# Altium PCB COPY 1.PcbDoc (part 2 of 2) (continued)
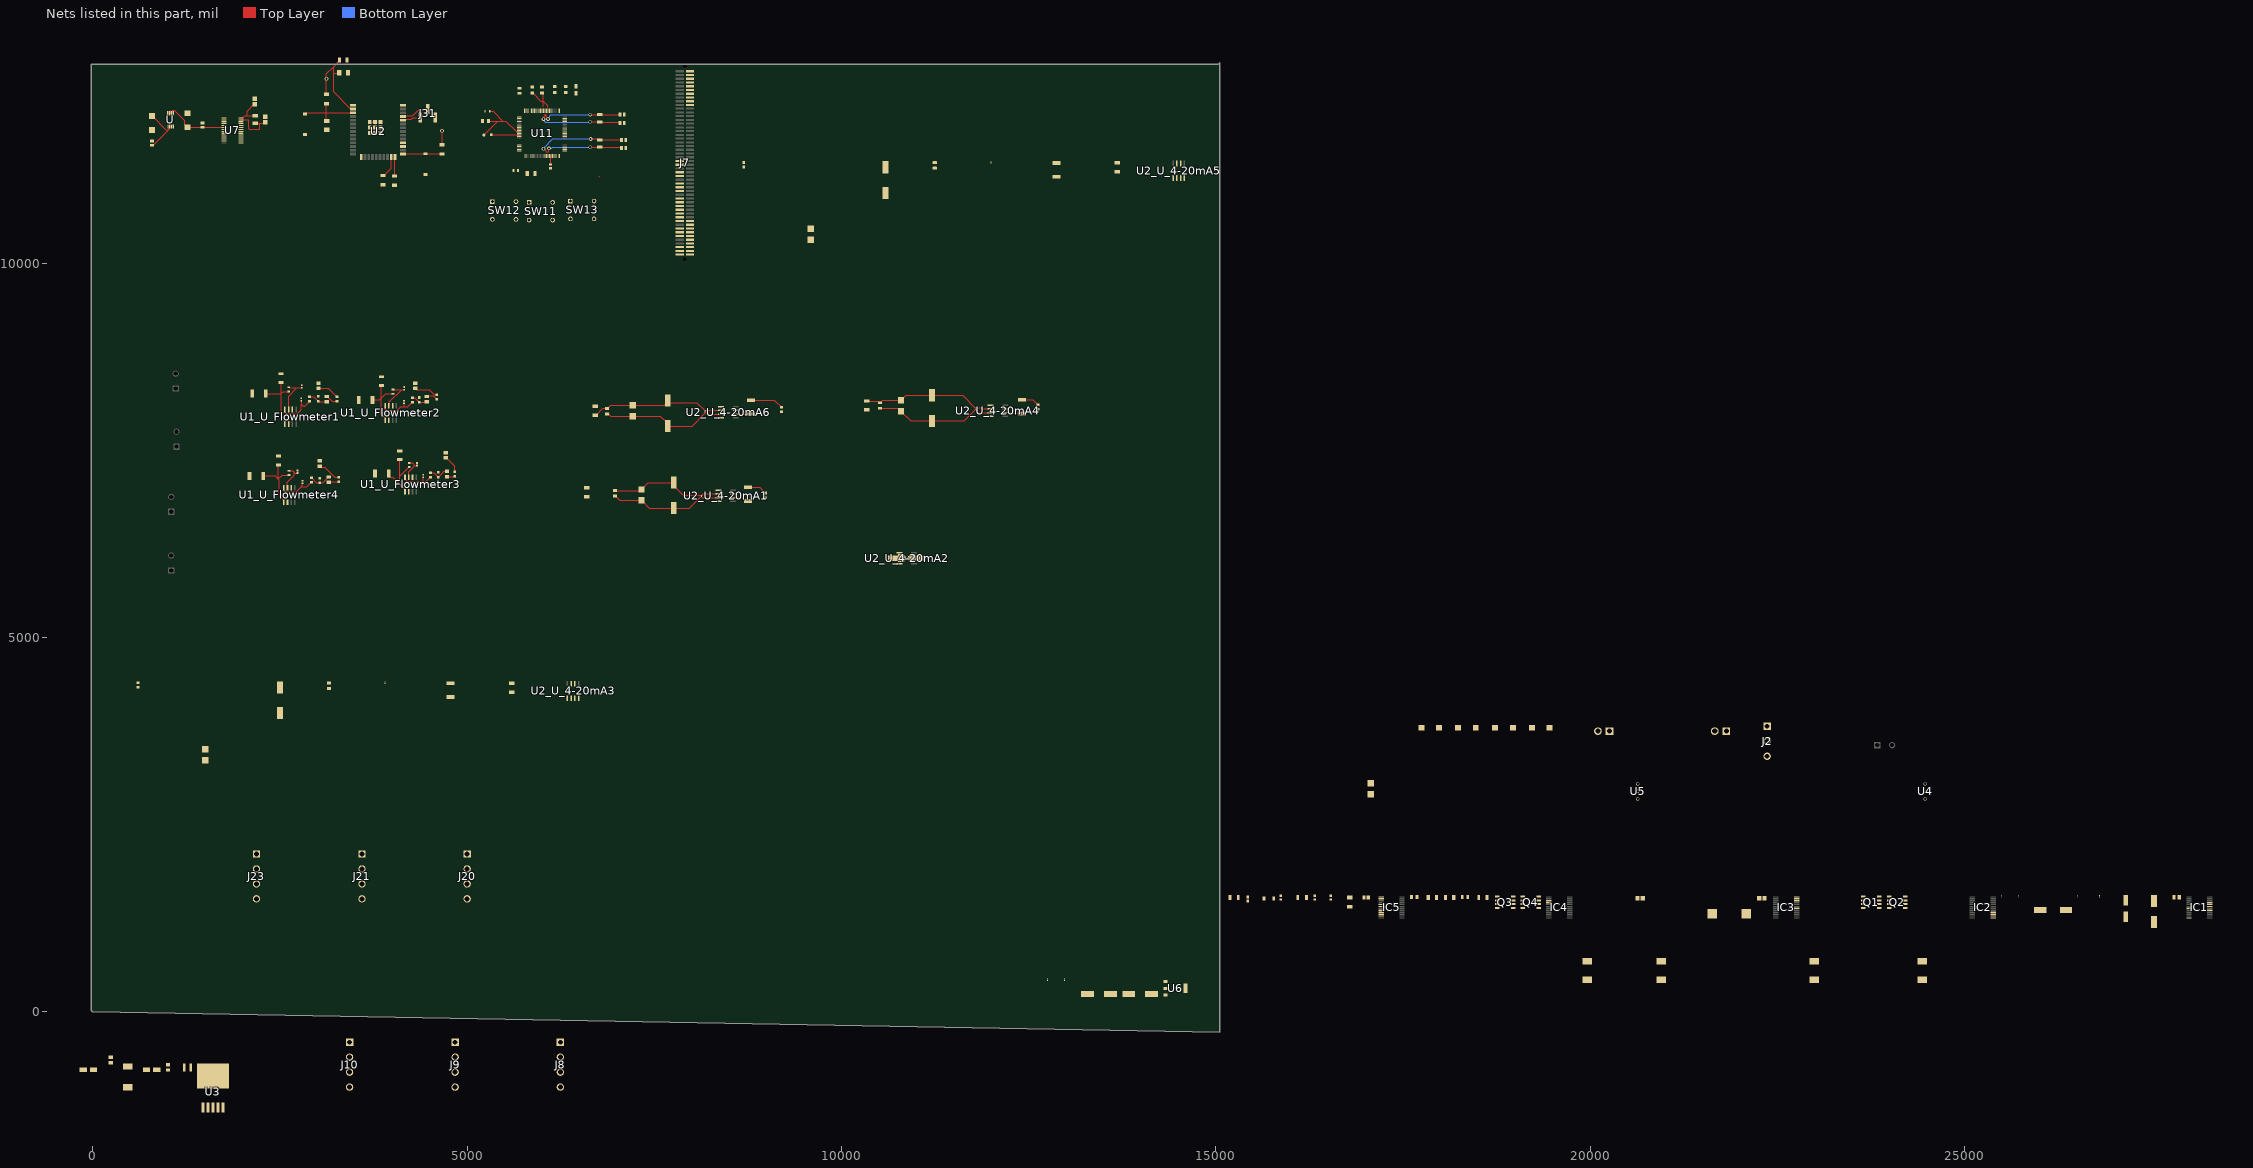
[diagram p2: the nets of this part, all layers, seen from the top]
## Part data (continued)
R17 R18 RF_U_4-20mA1 RF_U_4-20mA2 RF_U_4-20mA3 RF_U_4-20mA4 RF_U_4-20mA5 RF_U_4-20mA6: "100 Ohms Â±5% 0.5W, 1/2W Chip Resistor 0805 _2012 Metric_ Pulse Withstanding Thick Film", Package="0805 TE Connectivity", Supplier Part Number 1=279-CRGS0805J100R, Availability=Unavailable, MF="TE Connectivity", MP=CRGS0805J100R, Price=None, SnapEDA_Link=https://www.snapeda.com/parts/CRGS0805J100R/TE%20Connectivity%20AMP%20Connectors/view-part/1008227/?ref=snap, Supplier 1=Mouser, TE_purchase_URL=https://www.te.com/usa-en/product-2-2176244-5.html?te_bu=Cor&te_type=disp&te_campaign=seda_glo_cor-seda-global-disp-prtnr-fy19-seda-model-bom-cta_sma-317_1&elqCampaignId=32493
"R AV": library part CMP-2001-04896-1, Manufacturer="Vishay Dale", Part Number=CRCW08050000Z0EA
RCore: library part CMP-2000-03640-1, Manufacturer="Vishay Dale", Part Number=CRCW060391K0FKEA
RF2_U_Flowmeter1 RF2_U_Flowmeter2 RF2_U_Flowmeter3 RF2_U_Flowmeter4: "Chip Resistor Surface Mount", Package=None, Supplier Part Number 1=YAG1267CT-ND, Availability=Unavailable, MP=RC0402FR-073K3P, Price=None, Supplier 1=Digi-Key
RF3_U_Flowmeter1 RF3_U_Flowmeter2 RF3_U_Flowmeter3 RF3_U_Flowmeter4 RF8_U_4-20mA1 RF8_U_4-20mA2 RF8_U_4-20mA3 RF8_U_4-20mA4 RF8_U_4-20mA5 RF8_U_4-20mA6: Package=None, Supplier Part Number 1=CRS2010AFX-1001ELFCT-ND, Availability=Unavailable, MP=CRS2010AFX-1001ELF, Price=None, Supplier 1=Digi-Key
RF4_U_Flowmeter1 RF4_U_Flowmeter2 RF4_U_Flowmeter3 RF4_U_Flowmeter4: "Res Thick Film 0603 1M Ohm 1% 0.1W(1/10W) Â±100ppm/Â°C Sulfur Resistant Pad SMD Automotive T/R", Package="1608-2 Panasonic", Supplier Part Number 1=667-ERJ-S03F1004V, Availability="Not in stock", Check_prices=https://www.snapeda.com/parts/ERJ-S03F1004V/Panasonic/view-part/3733497/?ref=eda, MF=Panasonic, MP=ERJ-S03F1004V, Price=None, SnapEDA_Link=https://www.snapeda.com/parts/ERJ-S03F1004V/Panasonic/view-part/3733497/?ref=snap, Supplier 1=Mouser
RF5_U_Flowmeter1 RF5_U_Flowmeter2 RF5_U_Flowmeter3 RF5_U_Flowmeter4 RF7_U_Flowmeter1 RF7_U_Flowmeter2 RF7_U_Flowmeter3 RF7_U_Flowmeter4: "Resistor Thick Film 0603 5.1k Ohm 5% 1/10 Watt Â±200ppm Â°C Surface Mount Paper Tape On Plastic Reel", Package=None, Supplier Part Number 1=118-CR0603-JW-512ELFCT-ND, Availability=Unavailable, MP=CR0603-JW-512ELF, Price=None, Supplier 1=Digi-Key
RF6_U_Flowmeter1 RF6_U_Flowmeter2 RF6_U_Flowmeter3 RF6_U_Flowmeter4: "RES SMD 2.21KOHM 0.5% 1/10W 0603", Package=None, Availability=Unavailable, MP=RT0603DRE072K21L, Price=None
S1 S3: "Tactile Switch SPST-NC Top Actuated Surface Mount", Package=None, Availability=Unavailable, MP=ATS2D3G_NC_LFG, Price=None
SW11 SW12 SW13: library part CMP-05613-000006-1, "SWITCH PUSH SPST-NO 0.1A 14V", Contact Current Rating=100mA, Max Operating Temperature=80°C, Max Voltage Rating (DC)=14V, Min Operating Temperature=-30°C, Operating Force=4N, Package Quantity=1200, Actuator Length=5.5mm, Actuator Type=Lever, Current Rating=100mA, Lead Free="Lead Free", Mount="Through Hole", Orientation=Straight, Packaging=Bulk, Radiation Hardening=No, REACH SVHC="No SVHC", RoHS Compliant=Yes, Series=ESE20C, Switch Function=Off-Mom, Termination="PC Pin", Throw Configuration=SPST, Voltage Rating (DC)=14V
U: "Ic Vref Series Prec 2.5v 8-Msop - Ltc6652ahms8-2.5#Pbf", Package="MSOP-8 Linear Technology", Availability=Unavailable, MF="Linear Technology", MP=LTC6652AHMS8-2.5#PBF, Price=None, SnapEDA_Link=https://www.snapeda.com/parts/LTC6652AHMS8-2.5%23PBF/Analog%20Devices/view-part/135303/?ref=snap
U1_U_Flowmeter1 U1_U_Flowmeter2 U1_U_Flowmeter3 U1_U_Flowmeter4: "Comparator General Purpose Pull Up 8-SOIC", Package="SOIC -8 Analog Devices", Supplier Part Number 1=584-LT1017IS8#PBF, Availability="In Stock", Check_prices=https://www.snapeda.com/parts/LT1017IS8%23PBF/Analog%20Devices/view-part/4348316/?ref=eda, MF="Analog Devices", MP=LT1017IS8#PBF, Price=None, Purchase-URL=https://pricing.snapeda.com/search/part/LT1017IS8#PBF/?ref=eda, SnapEDA_Link=https://www.snapeda.com/parts/LT1017IS8%23PBF/Analog%20Devices/view-part/4348316/?ref=snap, Supplier 1=Mouser
U2: "Bluetooth, WiFi 802.11b/g/n, Bluetooth v4.2 + EDR, Class 1, 2 and 3 Transceiver Module 2.4GHz ~ 2.5GHz Integrated, Trace Surface Mount", Package="Module Espressif Systems", Availability=Unavailable, MF="Espressif Systems", MP=ESP32-WROOM-32D, Price=None, SnapEDA_Link=https://www.snapeda.com/parts/ESP32-WROOM-32D/Espressif%20Systems/view-part/2768115/?ref=snap
U2_U_4-20mA1 U2_U_4-20mA2 U2_U_4-20mA3 U2_U_4-20mA4 U2_U_4-20mA5 U2_U_4-20mA6: "SP Amp DIFF AMP Single R-R O/P ±18V/36V Automotive 8-Pin SOIC N Tube", Case/Package=SOIC, Input Offset Voltage (Vos)=5.2mV, Input Resistance=2MR, Manufacturer="Analog Devices / Linear Technology", Manufacturer Part Number=LT1990ACS8#PBF, Max Dual Supply Voltage=18V, Max Operating Temperature=70°C, Max Supply Voltage=36V, Min Dual Supply Voltage=1.35V, Min Operating Temperature=0°C, Min Supply Voltage=2.4V, Operating Supply Current=140uA, Output Current per Channel=22mA, Package="SOIC -8 Analog Devices", Package Quantity=100, Power Supply Rejection Ratio (PSRR)=80dB, Supplier Part Number 1=584-LT1990ACS8#PBF, -3db Bandwidth=105kHz, Amplifier Type=DIFFERENTIAL, Availability=Good, Bandwidth=100kHz, Category="Amplifiers - Op Amps, Buffer, Instrumentation", Check_prices=h, Common Mode Rejection Ratio=70dB, ComponentLink1Description=https://datasheet.ciiva.com/15128/getdatasheetpartid-371446-15128871.pdf?src-supplier=Verical, ComponentLink1URL=https://datasheet.ciiva.com/15128/getdatasheetpartid-371446-15128871.pdf?src-supplier=Verical, ComponentLink2Description=https://datasheet.ciiva.com/1802/5087-1802941.pdf?src-supplier=Digi-Key, ComponentLink2URL=https://datasheet.ciiva.com/1802/5087-1802941.pdf?src-supplier=Digi-Key, ComponentLink3Description=https://datasheet.ciiva.com/1492/1990fb-1492770.pdf?src-supplier=Farnell, ComponentLink3URL=https://datasheet.ciiva.com/1492/1990fb-1492770.pdf?src-supplier=Farnell, ComponentLink4Description=https://datasheet.ciiva.com/1485/1679607-1485298.pdf?src-supplier=Element14, ComponentLink4URL=https://datasheet.ciiva.com/1485/1679607-1485298.pdf?src-supplier=Element14, Lead Free="Lead Free", MF="Analog Devices", MP=LT1990ACS8#PBF, Nominal Gain Bandwidth Product=100kHz, Number of Amplifiers=1, Number of Channels=1, Number of Circuits=1, Number of Elements=1, Number of Pins=8, Packaging=Rail/Tube, Price=None, Pricing 1="1=5.20000, 10=4.67000, 50=4.42000, 100=3.82000, 1000=3.25000, 10000=3.25000 (USD)", Purchase-URL=https://pricing.snapeda.com/search/part/LT1990ACS8#PBF/?ref=eda, Radiation Hardening=No, REACH SVHC="No SVHC", RoHS=Yes, RoHS Compliant=Yes, Slew Rate=0.55V/µs, SnapEDA_Link=https://www.snapeda.com/parts/LT1990ACS8%23PBF/Analog%20Devices/view-part/4348994/?ref=snap, Stock 1=55, Supplier 1=Mouser
U3: "SIMPLE SWITCHERé›»æºè½‰æ›å™¨150 KHz 1Aé™å£“ç©©å£“å™¨5-DDPAK / TO-263", Package="TO-263-5 Texas Instruments", Supplier Part Number 1=296-37722-5-ND, Availability=Warning, Check_prices=https://www.snapeda.com/parts/LM2595S-5.0/Texas%20Instruments/view-part/20758/?ref=eda, DigiKey-Purchase-URL=https://snapeda.com/shop?store=DigiKey&id=20758, MF="Texas Instruments", MP=LM2595S-5.0, Price=None, SnapEDA_Link=https://www.snapeda.com/parts/LM2595S-5.0/Texas%20Instruments/view-part/20758/?ref=snap, Supplier 1=Digi-Key
U6: library part CMP-0476-01801-1, "Micropower Low Dropout Regulator with Shutdown, 4.17 to 36 V Vin, 3.3 V Vout, 3-pin SOT223 (ST-3), 0 to 125 degC, Pb-Free, Tape and Reel", Dropout Voltage(V)=0.42, Manufacturer="Linear Technology", Output Voltage="3.3 V", Shutdown Current(uA)=16, ComponentLink1Description="Manufacturer URL", ComponentLink1URL=http://www.linear.com/, ComponentLink2Description=Datasheet, ComponentLink2URL=http://cds.linear.com/docs/en/datasheet/1121fg.pdf, ComponentLink3Description="Package Specification", ComponentLink3URL=http://cds.linear.com/docs/en/packaging/SOT_3_05-08-1630.pdf, DatasheetVersion="Rev. G", Discrete Pass Element=no, Iout(mA)=150, Isupply(mA)=0.03, Mounting Technology="Surface Mount", Number of Outputs=1, PackageDescription="3-Pin Plastic SOT-223, 3.505 x 6.505 mm Body, Pitch 2.3 mm", PackageReference=ST-3, PackageVersion=Jun-10, Packing="Tape and Reel", PartNumber=LT1121CST-3.3#TRPBF, RoHS=TRUE, Vin Max(V)=36, Vin Min(V)=4.17
U7: library part CMP-0313-02003-2, "10 Channel 24-Bit Low Power Sigma-Delta Analog-to-Digital Converter with Serial, SPI Interface, 1.365KSPS, -40 to +85 degC, RU-28, Pb-Free, Tube", Generic Part Number=AD7718, Manufacturer="Analog Devices", Channels=10, Code_JEDEC=MO-153-AE, ComponentLink1Description="Manufacturer URL", ComponentLink1URL=http://www.analog.com/en/index.html, ComponentLink2Description=Datasheet, ComponentLink2URL=http://www.analog.com/static/imported-files/data_sheets/AD7708_7718.pdf, ComponentLink3Description="Package Specification", ComponentLink3URL=http://www.analog.com/static/imported-files/packages/249854663RU_28.pdf, ComponentLink4Description="Product URL", ComponentLink4URL=http://www.analog.com/en/analog-to-digital-converters/ad-converters/ad7718/products/product.html, DatasheetVersion=Rev.0, Interface="Ser, SPI", Mounting Technology="Surface Mount", PackageDescription="28-Lead Thin Shrink Small Outline Package [TSSOP]", PackageReference=RU-28, PackageVersion=2005, Packing=Tube, PartNumber=AD7718BRUZ, Resolution (Bits)=24, RoHS=Y, Throughput Rate (SPS)=1.365K
U11: "SimpleLink ultra-low-power 32-bit Arm Cortex-M4F MCU With Precision ADC, 256KB Flash and 64KB RAM 100-LQFP -40 to 85", Package="LQFP-100 Texas Instruments", BuyPart=https://www.snapeda.com/parts/MSP432P401RIPZR/Texas%20Instruments/view-part/537368/?ref=eda, Digi-Key_Part_Number=296-44715-1-ND, DigiKey-Purchase-URL=https://snapeda.com/shop?store=DigiKey&id=537368, MF="Texas Instruments", Mouser-Purchase-URL=https://snapeda.com/shop?store=Mouser&id=537368, MP=MSP432P401RIPZR, SnapEDA_Link=https://www.snapeda.com/parts/MSP432P401RIPZR/Texas%20Instruments/view-part/537368/?ref=snap, Texas_Instruments-Purchase-URL=https://snapeda.com/shop?store=Texas+Instruments&id=537368
Y1 Y2: library part CMP-2000-07587-1, "Tuning Fork Crystal, 32.768 KHz, +/- 20 ppm, -40 to 85 degC, 2-Pin SMD, RoHS, Tape and Reel", Case\/Package=SMD/SMT, ESR (Equivalent Series Resistance)=55KOhm, Frequency=32.768KHz, Frequency Tolerance=20ppm, Load Capacitance=6pF, Manufacturer=Abracon, Max Operating Temperature=85degC, Min Operating Temperature=-40degC, Package Description="2-Pin Surface Mount Device, Body 3.2 x 1.5 mm", Package Quantity=3000, Package Reference=ABS07, Series Resistance=60KOhm, Datasheet URL=http://www.abracon.com/Resonators/ABS07-120-32.768kHz-T.pdf, Datasheet Version=11/2014, Depth=1.5mm, Height=0.035inch, Lead Free=LeadFree, Length=3.2mm, Manufacturer URL=http://www.abracon.com/, Mount=SurfaceMount, Mounting Technology=SurfaceMount, Number of Pins=2, Packaging=TapeandReel, Radiation Hardening=No, REACH SVHC=NoSVHC, RoHSCompliant=True, Termination=SMD/SMT, Tolerance=20ppm, Width=0.061inch
"YA 1": library part CMP-0447-00001-3, "CRYSTAL 32.7680KHZ 12.5PF SMD", Case/Package=CSMD, ESR (Equivalent Series Resistance)=70kR, Frequency=32.768kHz, Frequency Tolerance=20ppm, Load Capacitance=12.5pF, Max Operating Temperature=85°C, Min Operating Temperature=-40°C, Operating Frequency="32.768 kHz", Package Quantity=3000, Depth=1.5mm, Height=0.035inch, Lead Free="Lead Free", Length=3.2mm, Number of Pins=2, Packaging="Tape and Reel", Radiation Hardening=No, REACH SVHC="No SVHC", RoHS Compliant=Yes, Series=ABS07, Series Resistance=70kR, Termination=SMD/SMT, Tolerance=20ppm, Width=0.061inch

## Via types
v1: diameter 50, hole 28, Top Layer to Bottom Layer, 10 vias

## Nets (pads, with @x,y where several pads share a name; then routed paths per layer and width w, separated by ;. In a path a pad name is that pad's centre, name@x,y a point inside that pad or via, vN(x,y) a via of type N, cw(c..) or ccw(c..) an arc to the next point about the centre after c; other vN are vias at no path point)
3V3: C6.1 C8.1 J7.11 J7.50 J7.52 R1.2 R2.2 U2.2 U7.26 | length 1486.5
  Top Layer w10: R1.2@3120,12257.01 v1(3120,12465) 3120,12529.37 3215,12624.37 ; C6.1@3290,12545 3280,12535 3220.86,12535 3215,12529.14 ; C8.1@3293.82,12715 3293.82,12703.19 3215,12624.37 ; U2.2@3475.71,12060 3462.99,12072.72 3434.69,12072.72 3215,12292.41 3215,12529.14 ; R2.2@4665,11584.02 v1(4665,11770) ; 3215,12529.14 3215,12624.37
24V0: CR3.2 J8.1 J9.1 J10.1 J20.1 J21.1 J23.1 Q2.5 Q2.6 Q2.7 Q2.8 R12.1
+3V3: "R AV.2" C3.2 C4.1 C7.1 R6.2 U11.13 U11.73
+5: C9.1 C29.1 C45.1 C58.1 L1.2 U2_U_4-20mA1.7 U2_U_4-20mA2.7 U2_U_4-20mA3.7 U2_U_4-20mA4.7 U2_U_4-20mA5.7 U2_U_4-20mA6.7 U3.4 U6.1
"+6 VDC": C15.1 C16.1 CR2.1 CR4.1 IC1.19
\: U11.3
A5V0: "CA5 .1uF.1" "CA6 47uF.2" U7.3 U.2 U.3 | length 652.7
  Top Layer w10: 790,11575.47 803.7,11589.17 817.39,11589.17 1011.71,11783.5 ; 790,11967.91 792.76,11967.91 977.17,11783.5 1011.71,11783.5 ; U.2@1022,11826 1020.5,11824.5 1020.5,11792.29 1011.71,11783.5
DCORE: RCore.2 U11.44 | length 114.3
  Top Layer w10: RCore.2@6115,11319.61 6118.11,11322.72 U11.44@6118.11,11432.64
ESP32_BOOT: R2.1 S3.2 U2.25 | length 522.3
  Top Layer w10: U2.25@4145,11460 4147.8,11462.8 S3.2@4445,11462.8 4447.8,11460 R2.1@4665,11460
ESP32_EN: C5.2 R1.1 S1.2 U2.3 | length 877
  Top Layer w10: S1.2@2835,11995 2849.14,12009.14 3120,12009.14 ; R1.1@3120,12132.99 3120,12009.14 ; 3120.86,12010 3120,12009.14 ; C5.2@3125,11900 3120,11905 3120,12009.14 ; 3125.86,12010 U2.3@3475.71,12010
ESP32_UART0.RX: J31.03 U2.34 | length 244.5
  Top Layer w10: U2.34@4145,11910 4157.72,11922.72 4256.04,11922.72 4278.33,11945 J31.03@4375,11945
ESP32_UART0.TX: J31.02 U2.35 | length 371.4
  Top Layer w10: U2.35@4145,11960 4157.72,11972.72 4273.56,11972.72 4360.81,12059.96 J31.02@4475,12059.96
GND: "CA1 12pF.1" "CA2 12pF.1" "CA3 47uF.1" "CA4 .1uF.2" "CA5 .1uF.2" "CA6 47uF.1" C1.2 C2.2 C3.1 C4.2 C5.1 C6.2 C7.2 C8.2 C9.2 C10.2 C11.1 C12.1 C13.1 C14.2 C15.2 C16.2 C17.2 C21.2 C22.2 C23.2 C24.2 C25.2 C26.2 C27.2 C28.2 C29.2 C30.2 C45.2 C58.2 C243.2 C.2 CF2_U_Flowmeter1.2 CF2_U_Flowmeter2.2 CF2_U_Flowmeter3.2 CF2_U_Flowmeter4.2 CF3_U_Flowmeter1.2 CF3_U_Flowmeter2.2 CF3_U_Flowmeter3.2 CF3_U_Flowmeter4.2 CF7_U_4-20mA1.2 CF7_U_4-20mA2.2 CF7_U_4-20mA3.2 CF7_U_4-20mA4.2 CF7_U_4-20mA5.2 CF7_U_4-20mA6.2 CH11.1 CH12.1 CL21.1 CL22.1 CR6.2 CU9.2 CU10.1 D1.2 D2.2 IC1.7 IC1.17 IC1.20 IC5.9 IC5.11 J2.1 J3.2 J7.13 J7.15 J7.17 J7.19 J8.4 J9.4 J10.4 J20.4 J21.4 J23.4 J31.01 R3.2 R4.2 R10.2 R11.2 R14.2 R16.2 R18.2 RCore.1 RF3_U_Flowmeter1.1 RF3_U_Flowmeter2.1 RF3_U_Flowmeter3.1 RF3_U_Flowmeter4.1 RF7_U_Flowmeter1.2 RF7_U_Flowmeter2.2 RF7_U_Flowmeter3.2 RF7_U_Flowmeter4.2 S1.1 S3.1 SW11.b SW11.c SW11.d SW12.b SW12.c SW12.d SW13.b SW13.c SW13.d U1_U_Flowmeter1.2 U1_U_Flowmeter2.2 U1_U_Flowmeter3.2 U1_U_Flowmeter4.2 U2.1 U2.15 U2.38 U2.39_1 U2.39_2 U2.39_3 U2.39_4 U2.39_5 U2.39_6 U2.39_7 U2.39_8 U2.39_9 U2.39_10 U2.39_11 U2.39_12 U2.39_13 U2.39_14 U2.39_15 U2.39_16 U2.39_17 U2.39_18 U2.39_19 U2.39_20 U2.39_21 U2_U_4-20mA1.1 U2_U_4-20mA1.4 U2_U_4-20mA2.1 U2_U_4-20mA2.4 U2_U_4-20mA3.1 U2_U_4-20mA3.4 U2_U_4-20mA4.1 U2_U_4-20mA4.4 U2_U_4-20mA5.1 U2_U_4-20mA5.4 U2_U_4-20mA6.1 U2_U_4-20mA6.4 U3.3 U3.5 U3.6 U6.2 U6.4 U7.4 U7.5 U7.12 U7.17 U7.25 U11.15 U11.40 U11.72 U11.83 U.4 U.5 U.7 U.8
NetC1_1: "R AV.1" C1.1 C2.1 U11.43 U11.45 U11.82 U11.84 U11.87 | length 505.1
  Top Layer w10: 5700,12272.52 5709.84,12272.52 ; C1.1@5870,12274.65 5874.92,12274.65 5984.57,12165 6019.69,12165 ; C2.1@6000,12274.65 6004.92,12274.65 6018.74,12260.82 6018.74,12255.9 6019.69,12254.96 6019.69,12165 ; 6019.69,12090 6019.69,12165 ; 6078.74,12085 6078.74,12105.94 6019.69,12165
NetC17_1: C17.1 IC1.12
NetC18_1: C18.1 CR2.2 IC3.24
NetC18_2: C18.2 CR3.1 IC3.22 L2.2
NetC19_1: C19.1 CR5.2 IC2.15 L2.1 Q1.1 Q1.2 Q1.3 Q2.1 Q2.2 Q2.3 Q3.5 Q3.6 Q3.7 Q3.8 Q4.5 Q4.6 Q4.7 Q4.8
NetC19_2: C19.2 CR4.2 IC2.13
NetC20_1: C20.1 IC4.3 R17.1
NetC20_2: C20.2 IC4.4 R18.1
NetC21_1: C21.1 IC5.2
NetC22_1: C22.1 C23.1 R15.2
NetC28_1: C28.1 C30.1 U6.3
NetC243_1: C243.1 IC1.21 R9.1
"NetCA1 12pF_2": "CA1 12pF.2" "YA 1.1" U7.28 | length 422.9
  Top Layer w10: U7.28@1977.2,11941.34 2003.78,11941.34 2031.65,11969.21 2060,11969.21 ; 2170,11969.21 2060,11969.21 ; 2170,12142.17 2060,12032.17 2060,11969.21
"NetCA2 12pF_2": "CA2 12pF.2" "YA 1.2" U7.27 | length 590.9
  Top Layer w10: U7.27@1977.93,11915.02 U7.27@1977.2,11915.75 2078.39,11915.75 2085,11909.14 2085,11795.86 2090.86,11790 2225,11790 2231.1,11796.1 2231.1,11870.79 ; 2170,11870.79 2231.1,11870.79 ; 2305,11883.58 2292.2,11870.79 2231.1,11870.79
"NetCA3 47uF_2": "CA3 47uF.2" "CA4 .1uF.1" U7.6 U.6 | length 871
  Top Layer w10: U.6@1048,12004 1049.5,12005.5 1049.5,12037.71 1058.29,12046.5 1087.71,12046.5 1228.07,11906.14 1228.07,11851.26 1262.24,11817.09 1265,11817.09 1266.61,11815.47 1465,11815.47 ; 1463.15,11813.39 U7.6@1752.8,11813.39
NetCF1_U_Flowmeter1_1: CF1_U_Flowmeter1.1 RF5_U_Flowmeter1.2 RF7_U_Flowmeter1.1 | length 251.9
  Top Layer w10: RF5_U_Flowmeter1.2@2895,8215.71 2952.4,8215.71 3008.82,8159.29 RF7_U_Flowmeter1.1@3010,8159.29 3018.58,8150.71 CF1_U_Flowmeter1.1@3120,8150.71
NetCF1_U_Flowmeter1_2: CF1_U_Flowmeter1.2 RF6_U_Flowmeter1.1 | length 162.1
  Top Layer w10: CF1_U_Flowmeter1.2@3125,8219.65 3131.1,8219.65 3196.46,8154.29 RF6_U_Flowmeter1.1@3260,8154.29
NetCF1_U_Flowmeter2_1: CF1_U_Flowmeter2.1 RF5_U_Flowmeter2.2 RF7_U_Flowmeter2.1 | length 206.1
  Top Layer w10: RF5_U_Flowmeter2.2@4270,8205.71 4299.29,8205.71 4346.69,8158.31 4346.69,8157.13 4358.82,8145 RF7_U_Flowmeter2.1@4360,8145 4428.54,8145 CF1_U_Flowmeter2.1@4443.9,8160.35
NetCF1_U_Flowmeter2_2: CF1_U_Flowmeter2.2 RF6_U_Flowmeter2.1 | length 163.8
  Top Layer w10: CF1_U_Flowmeter2.2@4450,8229.65 4548.46,8229.65 4593.82,8184.29 RF6_U_Flowmeter2.1@4595,8184.29
NetCF1_U_Flowmeter3_1: CF1_U_Flowmeter3.1 RF5_U_Flowmeter3.2 RF7_U_Flowmeter3.1 | length 275.6
  Top Layer w10: RF5_U_Flowmeter3.2@4510,7201.42 4556.69,7201.42 4613.82,7144.29 RF7_U_Flowmeter3.1@4615,7144.29 4616.18,7144.29 4659.33,7187.44 4659.33,7188.62 4690.35,7219.65 CF1_U_Flowmeter3.1@4730,7219.65
NetCF1_U_Flowmeter3_2: CF1_U_Flowmeter3.2 RF6_U_Flowmeter3.1 | length 106.6
  Top Layer w10: CF1_U_Flowmeter3.2@4730,7150.35 4831.06,7150.35 RF6_U_Flowmeter3.1@4835,7154.29
NetCF1_U_Flowmeter4_1: CF1_U_Flowmeter4.1 RF5_U_Flowmeter4.2 RF7_U_Flowmeter4.1 | length 288.7
  Top Layer w10: RF5_U_Flowmeter4.2@2920,7135.71 2921.18,7135.71 2987.6,7069.29 RF7_U_Flowmeter4.1@3030,7069.29 3068.54,7069.29 3143.9,7144.65 CF1_U_Flowmeter4.1@3150,7144.65
NetCF1_U_Flowmeter4_2: CF1_U_Flowmeter4.2 RF6_U_Flowmeter4.1 | length 136.6
  Top Layer w10: CF1_U_Flowmeter4.2@3150,7075.35 3153.94,7079.29 RF6_U_Flowmeter4.1@3285,7079.29
NetCF2_U_Flowmeter1_1: CF2_U_Flowmeter1.1 RF5_U_Flowmeter1.1 U1_U_Flowmeter1.8 | length 542.4
  Top Layer w10: U1_U_Flowmeter1.8@2565,8047 2565,8018.5 2590.5,7993 2731.71,7993 2785,8046.29 2785,8115 ; CF2_U_Flowmeter1.1@2785,8160.59 2785,8115 ; RF5_U_Flowmeter1.1@2895,8154.29 2830.71,8090 2810,8090 2785,8115
NetCF2_U_Flowmeter2_1: CF2_U_Flowmeter2.1 RF5_U_Flowmeter2.1 U1_U_Flowmeter2.8 | length 526.8
  Top Layer w10: U1_U_Flowmeter2.8@3905,8097 3905,8043 3910.86,8037.14 4065.86,8037.14 4113.37,8084.65 4161.27,8084.65 ; CF2_U_Flowmeter2.1@4154.31,8128.48 4158.62,8132.8 CF2_U_Flowmeter2.1@4160,8132.8 ; CF2_U_Flowmeter2.1@4155,8127.8 4155.84,8127.8 4156.17,8127.46 4161.27,8122.36 4161.27,8084.65 ; CF2_U_Flowmeter2.1@4155.75,8127.04 CF2_U_Flowmeter2.1@4160.88,8132.17 ; RF5_U_Flowmeter2.1@4270,8144.29 4268.82,8144.29 4209.18,8084.65 4161.27,8084.65
NetCF2_U_Flowmeter3_1: CF2_U_Flowmeter3.1 RF5_U_Flowmeter3.1 U1_U_Flowmeter3.8 | length 458
  Top Layer w10: U1_U_Flowmeter3.8@4170,7142 4170,7113.5 4195.5,7088 4408.72,7088 ; CF2_U_Flowmeter3.1@4415,7142.8 4415,7094.28 4408.72,7088 ; RF5_U_Flowmeter3.1@4510,7140 4508.82,7140 4456.82,7088 4408.72,7088
NetCF2_U_Flowmeter4_1: CF2_U_Flowmeter4.1 RF5_U_Flowmeter4.1 U1_U_Flowmeter4.8 | length 516.6
  Top Layer w10: U1_U_Flowmeter4.8@2550,7002 2550,6973.5 2575.5,6948 2716.71,6948 2783.71,7015 ; CF2_U_Flowmeter4.1@2800,7062.8 2800,7031.29 2783.71,7015 ; RF5_U_Flowmeter4.1@2920,7074.29 2918.82,7074.29 2906.69,7062.17 2906.69,7060.98 2860.71,7015 2783.71,7015
NetCF3_U_Flowmeter1_1: CF3_U_Flowmeter1.1 RF6_U_Flowmeter1.2 | length 292.5
  Top Layer w10: CF3_U_Flowmeter1.1@3015,8330.35 3144.17,8330.35 3258.82,8215.71 RF6_U_Flowmeter1.2@3260,8215.71
NetCF3_U_Flowmeter2_1: CF3_U_Flowmeter2.1 RF6_U_Flowmeter2.2 | length 325.1
  Top Layer w10: CF3_U_Flowmeter2.1@4305,8330.35 4322.83,8312.52 4493.87,8312.52 4560.69,8245.71 RF6_U_Flowmeter2.2@4595,8245.71
NetCF3_U_Flowmeter3_1: CF3_U_Flowmeter3.1 RF6_U_Flowmeter3.2 | length 237.9
  Top Layer w10: CF3_U_Flowmeter3.1@4715,7400.35 4721.1,7400.35 4835,7286.46 RF6_U_Flowmeter3.2@4835,7215.71
NetCF3_U_Flowmeter4_1: CF3_U_Flowmeter4.1 RF6_U_Flowmeter4.2 | length 317
  Top Layer w10: CF3_U_Flowmeter4.1@3030,7290.35 3047.83,7272.52 3096.91,7272.52 3228.72,7140.71 RF6_U_Flowmeter4.2@3285,7140.71
NetCF5_U_4-20mA1_1: CF5_U_4-20mA1.1 CF6_U_4-20mA1.1 CRF1_U_4-20mA1.1 F1_U_4-20mA1.2 RF_U_4-20mA1.1 U2_U_4-20mA1.2 | length 1520.4
  Top Layer w10: RF_U_4-20mA1.1@6975,6961.81 7312.98,6961.81 CRF1_U_4-20mA1.1@7329.16,6978 7422.42,7071.26 CF6_U_4-20mA1.1@7760,7071.26 7760,7029.92 7889.92,6900 CF5_U_4-20mA1.1@8130,6900 ; 8140,6903.23 8156.77,6920 U2_U_4-20mA1.2@8358,6920
NetCF5_U_4-20mA1_2: CF5_U_4-20mA1.2 CF6_U_4-20mA1.2 CRF1_U_4-20mA1.2 J23.3 RF_U_4-20mA1.2 U2_U_4-20mA1.3 | length 1498.5
  Top Layer w10: RF_U_4-20mA1.2@6975,6888.19 6983.27,6888.19 7039.46,6832 CRF1_U_4-20mA1.2@7329.16,6832 7432.42,6728.74 CF6_U_4-20mA1.2@7760,6728.74 7969.45,6728.74 8120,6879.29 ; 8135,6875 8140,6870 U2_U_4-20mA1.3@8358,6870
NetCF5_U_4-20mA2_1: CF5_U_4-20mA2.1 CF6_U_4-20mA2.1 CRF1_U_4-20mA2.1 F1_U_4-20mA2.2 RF_U_4-20mA2.1 U2_U_4-20mA2.2
NetCF5_U_4-20mA2_2: CF5_U_4-20mA2.2 CF6_U_4-20mA2.2 CRF1_U_4-20mA2.2 J21.3 RF_U_4-20mA2.2 U2_U_4-20mA2.3
NetCF5_U_4-20mA3_1: CF5_U_4-20mA3.1 CF6_U_4-20mA3.1 CRF1_U_4-20mA3.1 F1_U_4-20mA3.2 RF_U_4-20mA3.1 U2_U_4-20mA3.2
NetCF5_U_4-20mA3_2: CF5_U_4-20mA3.2 CF6_U_4-20mA3.2 CRF1_U_4-20mA3.2 J20.3 RF_U_4-20mA3.2 U2_U_4-20mA3.3
NetCF5_U_4-20mA4_1: CF5_U_4-20mA4.1 CF6_U_4-20mA4.1 CRF1_U_4-20mA4.1 F1_U_4-20mA4.2 RF_U_4-20mA4.1 U2_U_4-20mA4.2 | length 1772.7
  Top Layer w10: F1_U_4-20mA4.2@10340,8159.84 10483.7,8159.84 10506.73,8136.81 RF_U_4-20mA4.1@10515,8136.81 10523.27,8136.81 10554.46,8168 CRF1_U_4-20mA4.1@10795,8168 10863.26,8236.26 CF6_U_4-20mA4.1@11210,8236.26 11617.48,8236.26 CF5_U_4-20mA4.1@11790,8063.74 ; 11800,8066.97 11803.03,8070 11869.5,8070 11884.5,8055 U2_U_4-20mA4.2@11993,8055
NetCF5_U_4-20mA4_2: CF5_U_4-20mA4.2 CF6_U_4-20mA4.2 CRF1_U_4-20mA4.2 J10.3 RF_U_4-20mA4.2 U2_U_4-20mA4.3 | length 1613.3
  Top Layer w10: RF_U_4-20mA4.2@10515,8063.19 10753.81,8063.19 CRF1_U_4-20mA4.2@10795,8022 10923.26,7893.74 CF6_U_4-20mA4.2@11210,7893.74 11638.74,7893.74 11785,8040 ; 11795,8040 11830,8005 U2_U_4-20mA4.3@11993,8005
NetCF5_U_4-20mA5_1: CF5_U_4-20mA5.1 CF6_U_4-20mA5.1 CRF1_U_4-20mA5.1 F1_U_4-20mA5.2 RF_U_4-20mA5.1 U2_U_4-20mA5.2
NetCF5_U_4-20mA5_2: CF5_U_4-20mA5.2 CF6_U_4-20mA5.2 CRF1_U_4-20mA5.2 J9.3 RF_U_4-20mA5.2 U2_U_4-20mA5.3
NetCF5_U_4-20mA6_1: CF5_U_4-20mA6.1 CF6_U_4-20mA6.1 CRF1_U_4-20mA6.1 F1_U_4-20mA6.2 RF_U_4-20mA6.1 U2_U_4-20mA6.2 | length 1810.3
  Top Layer w10: F1_U_4-20mA6.2@6710,7970.16 6722.8,7970.16 6814.45,8061.81 RF_U_4-20mA6.1@6870,8061.81 ; RF_U_4-20mA6.1@6875,8070 6883.27,8070 6918.27,8105 CRF1_U_4-20mA6.1@7215,8105 7635.63,8105 CF6_U_4-20mA6.1@7670,8139.37 ; CF6_U_4-20mA6.1@7670,8168.1 CF6_U_4-20mA6.1@7670,8139.37 ; U2_U_4-20mA6.2@8381,8035 8186.77,8035 8180,8028.23 8068.86,8139.37 CF6_U_4-20mA6.1@7670,8139.37
NetCF5_U_4-20mA6_2: CF5_U_4-20mA6.2 CF6_U_4-20mA6.2 CRF1_U_4-20mA6.2 J8.3 RF_U_4-20mA6.2 U2_U_4-20mA6.3 | length 1682.5
  Top Layer w10: RF_U_4-20mA6.2@6875,7996.38 6883.27,7996.38 6920.65,7959 CRF1_U_4-20mA6.2@7215,7959 7577.92,7959 7670,7866.92 7670,7825.58 8005.58,7825.58 8180,8000 ; CF5_U_4-20mA6.2@8180,8007.52 8202.52,7985 U2_U_4-20mA6.3@8381,7985
NetCF7_U_4-20mA1_1: CF7_U_4-20mA1.1 RF8_U_4-20mA1.2 U7.9 | length 266.6
  Top Layer w10: RF8_U_4-20mA1.2@8750,7006.54 8907.99,7006.54 8984.21,6930.31 CF7_U_4-20mA1.1@8985,6930.31
NetCF7_U_4-20mA2_1: CF7_U_4-20mA2.1 RF8_U_4-20mA2.2 U7.8
NetCF7_U_4-20mA3_1: CF7_U_4-20mA3.1 RF8_U_4-20mA3.2 U7.7
NetCF7_U_4-20mA4_1: CF7_U_4-20mA4.1 RF8_U_4-20mA4.2 U7.15 | length 242.4
  Top Layer w10: RF8_U_4-20mA4.2@12410,8176.54 12557.99,8176.54 12624.21,8110.32 CF7_U_4-20mA4.1@12625,8110.32
NetCF7_U_4-20mA5_1: CF7_U_4-20mA5.1 RF8_U_4-20mA5.2 U7.11
NetCF7_U_4-20mA6_1: CF7_U_4-20mA6.1 RF8_U_4-20mA6.2 U7.10 | length 449.9
  Top Layer w10: RF8_U_4-20mA6.2@8790,8171.54 9102.99,8171.54 9199.21,8075.32 CF7_U_4-20mA6.1@9200,8075.32
NetCH11_2: CH11.2 U11.86 Y1.1 | length 1128.2
  Top Layer w10: v1(6020,11925) 6027.65,11932.65 6027.65,11963.48 6040,11975.82 6040,11990 ; v1(6645,11890) 6765.79,11890 Y1.1@6770,11885.79 7029.69,11885.79 CH11.2@7040.47,11875
  Bottom Layer w10: v1(6020,11925) 6020,11914.18 6036.57,11897.61 6036.57,11892.07 6043.64,11885 6640,11885 v1(6645,11890)
NetCH12_2: CH12.2 U11.85 Y1.2 | length 1073.9
  Top Layer w10: 6060,11990 6060,11955.82 6080,11935.82 v1(6080,11925) ; v1(6645,11985) 6769.21,11985 Y1.2@6770,11984.21 7039.69,11984.21 CH12.2@7040.47,11985
  Bottom Layer w10: v1(6080,11925) 6080,11935.82 6101.8,11957.62 6101.8,11971.8 6115,11985 v1(6645,11985)
NetCL21_2: CL21.2 U11.42 Y2.1 | length 1046.8
  Top Layer w10: 6078.74,11475 6078.74,11483.74 6090,11495 6090,11530 v1(6095,11535) ; v1(6645,11550) 6645.79,11550.79 Y2.1@6770,11550.79 7060.03,11550.79 7060.47,11550.34 CL21.2@7060.47,11542.47
  Bottom Layer w10: v1(6095,11535) 6130.82,11535 6145.82,11550 v1(6645,11550)
NetCL22_2: CL22.2 U11.41 Y2.2 | length 1178.8
  Top Layer w10: v1(6020,11530) 6030.82,11530 6048.75,11512.07 6052.93,11512.07 6060,11505 6060,11480 ; v1(6650,11660) 6759.21,11660 Y2.2@6770,11649.21 7056.26,11649.21 CL22.2@7060.47,11645
  Bottom Layer w10: v1(6020,11530) 6020,11535 6145,11660 v1(6650,11660)
NetCR5_1: CR5.1 Q3.1 Q3.2 Q3.3 Q4.1 Q4.2 Q4.3 R10.1 R11.1 R17.2
NetD1_1: D1.1 L1.1 U3.1
NetD2_1: D2.1 IC5.8 R13.2
NetF1_U_4-20mA1_1: F1_U_4-20mA1.1 J23.2
NetF1_U_4-20mA2_1: F1_U_4-20mA2.1 J21.2
NetF1_U_4-20mA3_1: F1_U_4-20mA3.1 J20.2
NetF1_U_4-20mA4_1: F1_U_4-20mA4.1 J10.2
NetF1_U_4-20mA5_1: F1_U_4-20mA5.1 J9.2
NetF1_U_4-20mA6_1: F1_U_4-20mA6.1 J8.2
NetIC2_14: IC2.14 Q1.4
NetIC2_16: IC2.16 Q3.4
NetIC3_18: IC3.18 Q4.4
NetIC3_23: IC3.23 Q2.4
NetIC5_1: IC5.1
NetIC5_5: IC5.5 R15.1
NetIC5_6: IC5.6 R12.2 R14.1
NetIC5_10: IC5.10 R16.1
NetJ1_1: J1.1 J2.3
NetJ1_2: J1.2 J2.2
NetJ3_1: J3.1 U5.1 U5.3
NetJ7_02: J7.02 U11.76
NetJ7_03: J7.03 U11.95
NetJ7_04: J7.04 U11.77
NetJ7_05: J7.05 U11.93
NetJ7_06: J7.06 U11.88
NetJ7_07: J7.07 U11.92
NetJ7_12: J7.12 U11.27
NetJ7_14: J7.14 U11.30
NetJ7_16: J7.16 U11.46
NetJ7_20: J7.20 U11.48
NetJ7_22: J7.22 U11.49
NetJ7_24: J7.24 U11.50
NetJ7_26: J7.26 U11.51
NetJ7_28: J7.28 U11.52
NetJ7_30: J7.30 U11.53
NetJ7_32: J7.32 U11.97
NetJ7_36: J7.36 U11.100
NetJ7_38: J7.38 U11.1
NetJ7_40: J7.40 U11.2
NetJ7_44: J7.44 U11.24
NetJ7_46: J7.46 U11.25
NetJ7_81: J7.81 U11.71
NetJ7_83: J7.83 U11.66
NetJ7_85: J7.85 U11.64
NetJ7_87: J7.87 U11.20
NetJ7_89: J7.89 U11.21
NetJ7_91: J7.91 U11.22
NetJ7_93: J7.93 U11.32
NetJ7_95: J7.95 U11.9
NetJ7_97: J7.97 U11.10
NetJ7_99: J7.99 U11.11
NetR3_1: R3.1 U2.24 | length 257.8
  Top Layer w10: R3.1@4030,11165 4030,11415.28 U2.24@4035.35,11420.63
NetR4_1: R4.1 U2.23 | length 300.7
  Top Layer w10: R4.1@3875,11172.01 3885.83,11172.01 3985.35,11271.54 U2.23@3985.35,11420.63
NetRF1_U_Flowmeter1_2: RF1_U_Flowmeter1.2 RF3_U_Flowmeter1.2 RF4_U_Flowmeter1.1 U1_U_Flowmeter1.1 | length 893
  Top Layer w10: RF3_U_Flowmeter1.2@2311.54,8260 2316.54,8255 2509.14,8255 2515,8260.86 ; RF1_U_Flowmeter1.2@2515,8406.73 2515,8260.86 ; U1_U_Flowmeter1.1@2565,7853 2565,7881.5 2515,7931.5 2515,8260.86 ; RF4_U_Flowmeter1.1@2615,8286.46 2540.6,8286.46 2515,8260.86
NetRF1_U_Flowmeter2_2: RF1_U_Flowmeter2.2 RF3_U_Flowmeter2.2 RF4_U_Flowmeter2.1 U1_U_Flowmeter2.1 | length 829.8
  Top Layer w10: RF3_U_Flowmeter2.2@3736.54,8146.26 RF3_U_Flowmeter2.2@3736.54,8175 3830,8175 3855,8200 ; RF1_U_Flowmeter2.2@3855,8366.73 3855,8200 ; U1_U_Flowmeter2.1@3905,7903 3905,7931.5 3855,7981.5 3855,8200 ; RF4_U_Flowmeter2.1@4020,8255 3910,8255 3855,8200
NetRF1_U_Flowmeter3_2: RF1_U_Flowmeter3.2 RF3_U_Flowmeter3.2 RF4_U_Flowmeter3.1 U1_U_Flowmeter3.1 | length 835.7
  Top Layer w10: RF3_U_Flowmeter3.2@3951.54,7190 3951.54,7161.26 3971.34,7141.46 4005.04,7141.46 4063.25,7083.25 ; RF1_U_Flowmeter3.2@4100,7376.73 4100,7156.38 ; U1_U_Flowmeter3.1@4170,6948 4170,6976.5 4063.25,7083.25 ; RF4_U_Flowmeter3.1@4225,7276.46 4220.08,7276.46 4100,7156.38 ; 4063.25,7083.25 4100,7120 4100,7156.38
NetRF1_U_Flowmeter4_2: RF1_U_Flowmeter4.2 RF3_U_Flowmeter4.2 RF4_U_Flowmeter4.1 U1_U_Flowmeter4.1 | length 900.6
  Top Layer w10: RF3_U_Flowmeter4.2@2276.54,7160 2434.14,7160 2477.07,7117.07 ; RF1_U_Flowmeter4.2@2480,7306.73 2480,7120 ; U1_U_Flowmeter4.1@2550,6808 2550,6836.5 2489.32,6897.18 2489.32,7104.82 2477.07,7117.07 ; RF4_U_Flowmeter4.1@2611.46,7170 2530,7170 2480,7120 ; 2477.07,7117.07 2480,7120
NetRF2_U_Flowmeter1_2: RF2_U_Flowmeter1.2 RF4_U_Flowmeter1.2 U1_U_Flowmeter1.7 U11.47 | length 519.1
  Top Layer w10: U1_U_Flowmeter1.7@2615,8047 2615,8225 2727.01,8337.01 ; RF4_U_Flowmeter1.2@2615,8343.54 2621.54,8337.01 2727.01,8337.01 ; RF2_U_Flowmeter1.2@2795,8337.01 2727.01,8337.01
NetRF2_U_Flowmeter2_2: RF2_U_Flowmeter2.2 RF4_U_Flowmeter2.2 U1_U_Flowmeter2.7 U11.58 | length 436.8
  Top Layer w10: U1_U_Flowmeter2.7@3955,8097 3958.86,8100.86 3958.86,8146.69 4124.95,8312.78 ; RF4_U_Flowmeter2.2@4010,8313.54 4010.77,8312.78 4124.95,8312.78 ; RF2_U_Flowmeter2.2@4160,8312.01 4159.23,8312.78 4124.95,8312.78
NetRF2_U_Flowmeter3_2: RF2_U_Flowmeter3.2 RF4_U_Flowmeter3.2 U1_U_Flowmeter3.7 U11.90 | length 309.3
  Top Layer w10: U1_U_Flowmeter3.7@4220,7142 4220,7216.95 4301.04,7297.99 ; RF4_U_Flowmeter3.2@4225,7333.54 4265.49,7333.54 4301.04,7297.99 ; RF2_U_Flowmeter3.2@4330,7297.99 4301.04,7297.99
NetRF2_U_Flowmeter4_2: RF2_U_Flowmeter4.2 RF4_U_Flowmeter4.2 U1_U_Flowmeter4.7 U11.89 | length 369
  Top Layer w10: U1_U_Flowmeter4.7@2600,7002 2600,7075.5 2690.77,7166.27 2690.77,7205.77 ; RF4_U_Flowmeter4.2@2620,7228.54 2667.99,7228.54 2690.77,7205.77 ; RF2_U_Flowmeter4.2@2735,7197.99 2698.54,7197.99 2690.77,7205.77
NetRF8_U_4-20mA1_1: RF8_U_4-20mA1.1 U2_U_4-20mA1.6 | length 217.3
  Top Layer w10: U2_U_4-20mA1.6@8552,6870 8674.72,6870 8721.26,6823.46 RF8_U_4-20mA1.1@8750,6823.46
NetRF8_U_4-20mA2_1: RF8_U_4-20mA2.1 U2_U_4-20mA2.6
NetRF8_U_4-20mA3_1: RF8_U_4-20mA3.1 U2_U_4-20mA3.6
NetRF8_U_4-20mA4_1: RF8_U_4-20mA4.1 U2_U_4-20mA4.6 | length 227.8
  Top Layer w10: U2_U_4-20mA4.6@12187,8005 12215.5,8005 12227.04,7993.46 RF8_U_4-20mA4.1@12410,7993.46
NetRF8_U_4-20mA5_1: RF8_U_4-20mA5.1 U2_U_4-20mA5.6
NetRF8_U_4-20mA6_1: RF8_U_4-20mA6.1 U2_U_4-20mA6.6 | length 216.4
  Top Layer w10: U2_U_4-20mA6.6@8575,7985 8786.54,7985 RF8_U_4-20mA6.1@8790,7988.46
NetSW11_a: SW11.a U11.8
NetSW12_a: SW12.a U11.5
NetU2_27: U2.27 U11.98 | length 0
NetU2_28: U2.28 U11.99
NetU4_1: U4.1 U4.3
NetU7_1: U7.1
NetU7_2: U7.2
NetU7_13: U7.13
NetU7_16: U7.16
NetU7_18: U7.18
NetU7_19: U7.19 U11.63
NetU7_20: U7.20 U11.17
NetU7_21: U7.21 U11.62
NetU7_22: U7.22 U11.61
NetU7_23: U7.23 U11.19
NetU7_24: U7.24 U11.18
RST: C13.2 J7.09 R6.1 SW13.a | length 11.2
  Top Layer w10: 6762.52,11153.11 6770.47,11161.06
TMS_SWDIO: J7.01 U11.94
VCC: RF1_U_Flowmeter1.1 RF1_U_Flowmeter2.1 RF1_U_Flowmeter3.1 RF1_U_Flowmeter4.1 RF2_U_Flowmeter1.1 RF2_U_Flowmeter2.1 RF2_U_Flowmeter3.1 RF2_U_Flowmeter4.1 U1_U_Flowmeter1.6 U1_U_Flowmeter2.6 U1_U_Flowmeter3.6 U1_U_Flowmeter4.6 | length 10.3
  Top Layer w10: RF2_U_Flowmeter1.1@2790,8372.01 2791.18,8372.01 2796.81,8377.64 RF2_U_Flowmeter1.1@2796.81,8378.82
VCORE: "L VSW.2" CU9.1 CU10.2 U11.12 | length 967.2
  Top Layer w10: 5222.26,11712.54 5409.72,11900 ; CU9.1@5285.35,11900 5409.72,11900 ; CU10.2@5300.51,12030 5345.76,12030 5475.76,11900 ; U11.12@5698.03,11754.29 5697.2,11755.12 5662.04,11755.12 5517.15,11900 5475.76,11900 ; 5409.72,11900 5475.76,11900
Vin: C10.1 C11.2 C12.2 C14.1 C24.1 C25.1 C26.1 C27.1 C.1 CR6.1 Q1.5 Q1.6 Q1.7 Q1.8 R9.2 R13.1 U3.2 U4.2 U5.2
VSW: "L VSW.1" U11.14 | length 376.4
  Top Layer w10: 5321.67,11714.92 5500,11714.92 U11.14@5698.03,11714.92
pads on no net: "JP 1.1" "JP 1.2" IC1.1 IC1.2 IC1.3 IC1.4 IC1.5 IC1.6 IC1.8 IC1.9 IC1.10 IC1.11 IC1.13 IC1.14 IC1.15 IC1.16 IC1.18 IC1.22 IC1.23 IC1.24 IC2.1 IC2.2 IC2.3 IC2.4 IC2.5 IC2.6 IC2.7 IC2.8 IC2.9 IC2.10 IC2.11 IC2.12 IC2.17 IC2.18 IC2.19 IC2.20 IC2.21 IC2.22 IC2.23 IC2.24 IC3.1 IC3.2 IC3.3 IC3.4 IC3.5 IC3.6 IC3.7 IC3.8 IC3.9 IC3.10 IC3.11 IC3.12 IC3.13 IC3.14 IC3.15 IC3.16 IC3.17 IC3.19 IC3.20 IC3.21 IC4.1 IC4.2 IC4.5 IC4.6 IC4.7 IC4.8 IC4.9 IC4.10 IC4.11 IC4.12 IC4.13 IC4.14 IC4.15 IC4.16 IC4.17 IC4.18 IC4.19 IC4.20 IC4.21 IC4.22 IC4.23 IC4.24 IC5.3 IC5.4 IC5.7 IC5.12 IC5.13 IC5.14 IC5.15 IC5.16 IC5.17 IC5.18 IC5.19 IC5.20 IC5.21 IC5.22 IC5.23 IC5.24 J4.1 J4.2 J5.1 J5.2 J6.1 J6.2 J7. J7.08 J7.10 J7.18 J7.21 J7.23 J7.25 J7.27 J7.29 J7.31 J7.33 J7.34 J7.35 J7.37 J7.39 J7.41 J7.42 J7.43 J7.45 J7.47 J7.48 J7.49 J7.51 J7.53 J7.54 J7.55 J7.56 J7.57 J7.58 J7.59 J7.60 J7.61 J7.62 J7.63 J7.64 J7.65 J7.66 J7.67 J7.68 J7.69 J7.70 J7.71 J7.72 J7.73 J7.74 J7.75 J7.76 J7.77 J7.78 J7.79 J7.80 J7.82 J7.84 J7.86 J7.88 J7.90 J7.92 J7.94 J7.96 J7.98 J7.100 J.1 J.2 U1_U_Flowmeter1.3 U1_U_Flowmeter1.4 U1_U_Flowmeter1.5 U1_U_Flowmeter2.3 U1_U_Flowmeter2.4 U1_U_Flowmeter2.5 U1_U_Flowmeter3.3 U1_U_Flowmeter3.4 U1_U_Flowmeter3.5 U1_U_Flowmeter4.3 U1_U_Flowmeter4.4 U1_U_Flowmeter4.5 U2.4 U2.5 U2.6 U2.7 U2.8 U2.9 U2.10 U2.11 U2.12 U2.13 U2.14 U2.16 U2.17 U2.18 U2.19 U2.20 U2.21 U2.22 U2.26 U2.29 U2.30 U2.31 U2.32 U2.33 U2.36 U2.37 U2_U_4-20mA1.5 U2_U_4-20mA1.8 U2_U_4-20mA2.5 U2_U_4-20mA2.8 U2_U_4-20mA3.5 U2_U_4-20mA3.8 U2_U_4-20mA4.5 U2_U_4-20mA4.8 U2_U_4-20mA5.5 U2_U_4-20mA5.8 U2_U_4-20mA6.5 U2_U_4-20mA6.8 U7.14 U11.4 U11.6 U11.7 U11.16 U11.23 U11.26 U11.28 U11.29 U11.31 U11.33 U11.34 U11.35 U11.36 U11.37 U11.38 U11.39 U11.54 U11.55 U11.56 U11.57 U11.59 U11.60 U11.65 U11.67 U11.68 U11.69 U11.70 U11.74 U11.75 U11.78 U11.79 U11.80 U11.81 U11.91 U11.96 U.1

## Text inside footprints (layer, text, board x,y; h text height)
CR2: Mechanical 7 "Default Padstyle: RX86Y126D0T" at 24836.74,192.5 h50 r90; Mechanical 7 "Alt 1 Padstyle: OX60Y90D30P" at 24911.74,217.5 h50 r90; Mechanical 7 "Alt 2 Padstyle: OX90Y60D30P" at 24986.74,217.5 h50 r90; Mechanical 7 "0.126in/3.2mm" at 24451.24,801 h25 r90; Mechanical 7 "0.246in/6.248mm" at 24451.24,901 h25 r90; Mechanical 7 "0.32in/8.128mm" at 24756.74,467.5 h25 r90; Mechanical 7 "0.06in/1.524mm" at 24656.74,337.5 h25 r90
CR3: Mechanical 7 "Default Padstyle: RX86Y126D0T" at 23391.74,192.5 h50 r90; Mechanical 7 "Alt 1 Padstyle: OX60Y90D30P" at 23466.74,217.5 h50 r90; Mechanical 7 "Alt 2 Padstyle: OX90Y60D30P" at 23541.74,217.5 h50 r90; Mechanical 7 "0.126in/3.2mm" at 23006.24,801 h25 r90; Mechanical 7 "0.246in/6.248mm" at 23006.24,901 h25 r90; Mechanical 7 "0.32in/8.128mm" at 23311.74,467.5 h25 r90; Mechanical 7 "0.06in/1.524mm" at 23211.74,337.5 h25 r90
CR4: Mechanical 7 "Default Padstyle: RX86Y126D0T" at 21346.74,192.5 h50 r90; Mechanical 7 "Alt 1 Padstyle: OX60Y90D30P" at 21421.74,217.5 h50 r90; Mechanical 7 "Alt 2 Padstyle: OX90Y60D30P" at 21496.74,217.5 h50 r90; Mechanical 7 "0.126in/3.2mm" at 20961.24,801 h25 r90; Mechanical 7 "0.246in/6.248mm" at 20961.24,901 h25 r90; Mechanical 7 "0.32in/8.128mm" at 21266.74,467.5 h25 r90; Mechanical 7 "0.06in/1.524mm" at 21166.74,337.5 h25 r90
CR5: Mechanical 7 "Default Padstyle: RX86Y126D0T" at 20361.74,192.5 h50 r90; Mechanical 7 "Alt 1 Padstyle: OX60Y90D30P" at 20436.74,217.5 h50 r90; Mechanical 7 "Alt 2 Padstyle: OX90Y60D30P" at 20511.74,217.5 h50 r90; Mechanical 7 "0.126in/3.2mm" at 19976.24,801 h25 r90; Mechanical 7 "0.246in/6.248mm" at 19976.24,901 h25 r90; Mechanical 7 "0.32in/8.128mm" at 20281.74,467.5 h25 r90; Mechanical 7 "0.06in/1.524mm" at 20181.74,337.5 h25 r90
CR6: Mechanical 7 "Default Padstyle: RX86Y86D0T" at 17422.5,2630 h50 r90; Mechanical 7 "Alt 1 Padstyle: OX60Y90D30P" at 17497.5,2642.5 h50 r90; Mechanical 7 "Alt 2 Padstyle: OX90Y60D30P" at 17572.5,2642.5 h50 r90; Mechanical 7 "0.086in/2.184mm" at 17082.5,3176 h25 r90; Mechanical 7 "0.155in/3.937mm" at 17082.5,3276 h25 r90; Mechanical 7 "0.22in/5.588mm" at 17342.5,2892.5 h25 r90; Mechanical 7 "0.06in/1.524mm" at 17242.5,2812.5 h25 r90
CRF1_U_4-20mA1: Mechanical 7 "0.086in/2.184mm" at 7316.66,6709 h25 r270; Mechanical 7 "0.155in/3.937mm" at 7316.66,6609 h25 r270
CRF1_U_4-20mA2: Mechanical 7 "Default Padstyle: RX86Y86D0T" at 10523.74,5707.5 h50; Mechanical 7 "Alt 1 Padstyle: OX60Y90D30P" at 10536.24,5632.5 h50; Mechanical 7 "Alt 2 Padstyle: OX90Y60D30P" at 10536.24,5557.5 h50; Mechanical 7 "0.086in/2.184mm" at 11069.74,6047.5 h25; Mechanical 7 "0.155in/3.937mm" at 11169.74,6047.5 h25; Mechanical 7 "0.22in/5.588mm" at 10786.24,5787.5 h25; Mechanical 7 "0.06in/1.524mm" at 10706.24,5887.5 h25
CRF1_U_4-20mA3: Mechanical 7 "Default Padstyle: RX86Y86D0T" at 1852.5,3086.54 h50 r90; Mechanical 7 "Alt 1 Padstyle: OX60Y90D30P" at 1927.5,3099.04 h50 r90; Mechanical 7 "Alt 2 Padstyle: OX90Y60D30P" at 2002.5,3099.04 h50 r90; Mechanical 7 "0.086in/2.184mm" at 1512.5,3632.54 h25 r90; Mechanical 7 "0.155in/3.937mm" at 1512.5,3732.54 h25 r90; Mechanical 7 "0.22in/5.588mm" at 1772.5,3349.04 h25 r90; Mechanical 7 "0.06in/1.524mm" at 1672.5,3269.04 h25 r90
CRF1_U_4-20mA4: Mechanical 7 "0.06in/1.524mm" at 10622.5,8262.5 h25 r270; Mechanical 7 "0.155in/3.937mm" at 10782.5,7799 h25 r270; Mechanical 7 "0.086in/2.184mm" at 10782.5,7899 h25 r270
CRF1_U_4-20mA5: Mechanical 7 "Default Padstyle: RX86Y86D0T" at 9942.5,10036.26 h50 r90; Mechanical 7 "Alt 1 Padstyle: OX60Y90D30P" at 10017.5,10048.76 h50 r90; Mechanical 7 "Alt 2 Padstyle: OX90Y60D30P" at 10092.5,10048.76 h50 r90; Mechanical 7 "0.086in/2.184mm" at 9602.5,10582.26 h25 r90; Mechanical 7 "0.155in/3.937mm" at 9602.5,10682.26 h25 r90; Mechanical 7 "0.22in/5.588mm" at 9862.5,10298.76 h25 r90; Mechanical 7 "0.06in/1.524mm" at 9762.5,10218.76 h25 r90
CRF1_U_4-20mA6: Mechanical 7 "0.06in/1.524mm" at 7042.5,8199.5 h25 r270; Mechanical 7 "" at 7202.5,7736 h25 r270
U2: Top 3D Body "ANTENNA" at 3574.13,12257.24 h70
U4: Top 3D Body "TAB" at 24439.62,2926.25 h25 r90; Mechanical 7 "Alt 2 Padstyle: OX90Y60D30P" at 24940.12,2607.5 h50 r90; Mechanical 7 "Alt 1 Padstyle: OX60Y90D30P" at 24880.12,2607.5 h50 r90; Mechanical 7 "Pin 1 Padstyle: EX45Y45D0T" at 24820.12,2620 h50 r90; Mechanical 7 "Default Padstyle: EX45Y45D35P" at 24760.12,2582.5 h50 r90
U5: Top 3D Body "TAB" at 20599.62,2926.25 h25 r90; Mechanical 7 "Alt 2 Padstyle: OX90Y60D30P" at 21100.12,2607.5 h50 r90; Mechanical 7 "Alt 1 Padstyle: OX60Y90D30P" at 21040.12,2607.5 h50 r90; Mechanical 7 "Pin 1 Padstyle: EX45Y45D0T" at 20980.12,2620 h50 r90; Mechanical 7 "Default Padstyle: EX45Y45D35P" at 20920.12,2582.5 h50 r90